# KiCad board default.kicad_pcb (continued)
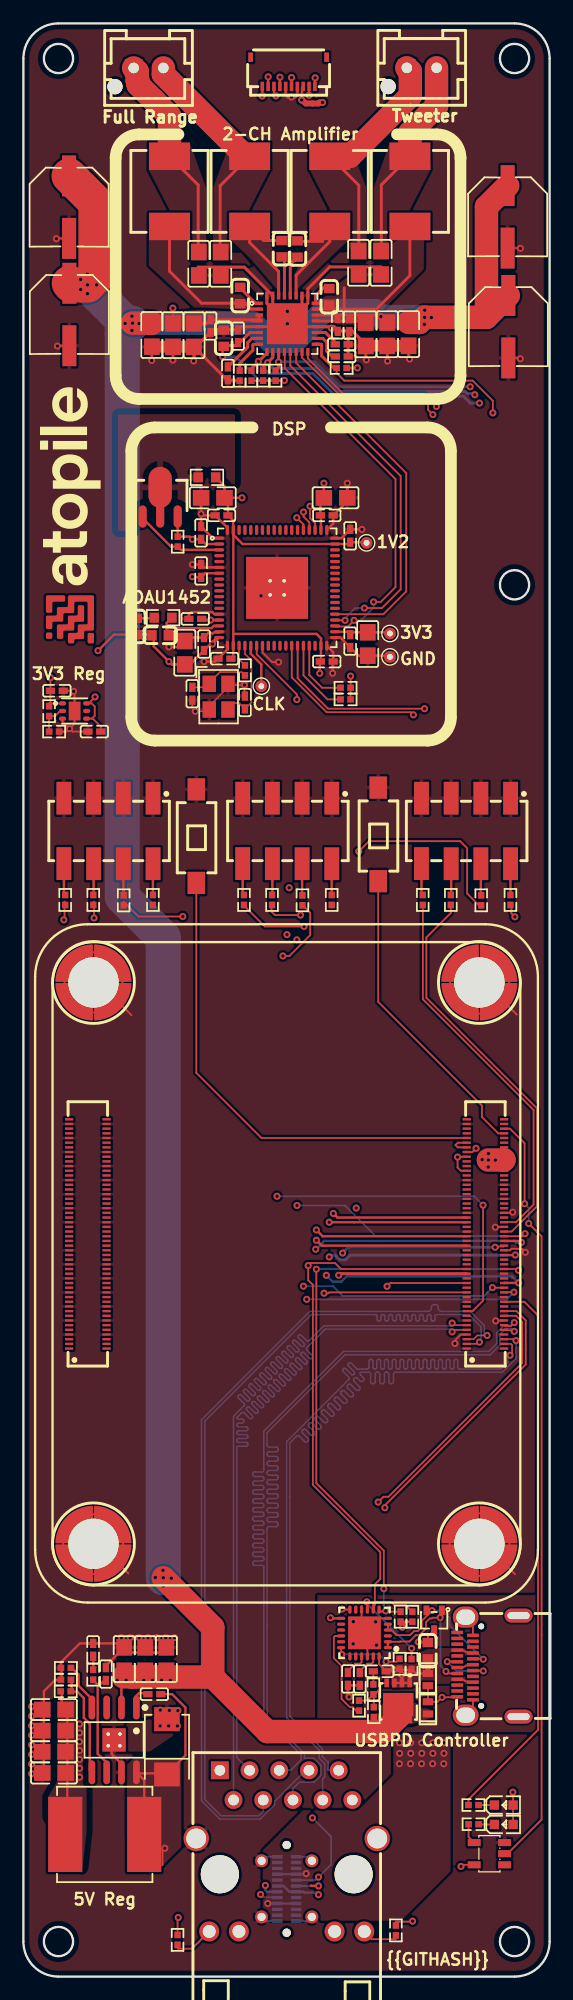
[diagram p0: board, top side]
## Library data of the parts (continued)
R7 = -: Datasheet: https://www.lcsc.com/datasheet/lcsc_datasheet_2206010230_UNI-ROYAL-Uniroyal-Elec-0402WGF2001TCE_C4109.pdf; checksum: 1bbc371acbcf37bf5829a57a7679c5f2fed630b025fcf7ebb7b9b9e8ab555ad5; __atopile_lib_fp_hash__: a3bdefbc-58fc-f1c0-3998-719e5661d0a2; LCSC: C4109; Manufacturer: UNI-ROYAL(Uniroyal Elec); Partnumber: 0402WGF2001TCE; PARAM_max_power: {"type": "Quantity_Set_Discrete", "data": {"intervals": {"type": "Numeric_Interval_Disjoint", "data": {"intervals": [{"type": "Numeric_Interval", "data": {"min": 0.0625, "max": 0.0625}}]}}, "unit": "watt"}}; PARAM_max_voltage: {"type": "Quantity_Set_Discrete", "data": {"intervals": {"type": "Numeric_Interval_Disjoint", "data": {"intervals": [{"type": "Numeric_Interval", "data": {"min": 50.0, "max": 50.0}}]}}, "unit": "volt"}}; PARAM_resistance: {"type": "Quantity_Interval_Disjoint", "data": {"intervals": {"type": "Numeric_Interval_Disjoint", "data": {"intervals": [{"type": "Numeric_Interval", "data": {"min": 1980.0000004470348, "max": 2019.9999995529652}}]}}, "unit": "ohm"}}; atopile_address: cm5.cm5.power_led_resistor; atopile_subaddresses: [.ato/modules/atopile/rpi-cm5/layouts/cm5/cm5.kicad_pcb:cm5.power_led_resistor]
R8 = -: Datasheet: https://www.lcsc.com/datasheet/lcsc_datasheet_2205311900_UNI-ROYAL-Uniroyal-Elec-0402WGF4700TCE_C25117.pdf; checksum: 0adeeb4361bb5276c77add81afc03b1bf42c71cff3cd3696092fca6d86c0a34d; __atopile_lib_fp_hash__: 955288ba-7aa7-22ab-05bd-1d822226e5b2; LCSC: C25117; Manufacturer: UNI-ROYAL(Uniroyal Elec); Partnumber: 0402WGF4700TCE; PARAM_max_power: {"type": "Quantity_Set_Discrete", "data": {"intervals": {"type": "Numeric_Interval_Disjoint", "data": {"intervals": [{"type": "Numeric_Interval", "data": {"min": 0.0625, "max": 0.0625}}]}}, "unit": "watt"}}; PARAM_max_voltage: {"type": "Quantity_Set_Discrete", "data": {"intervals": {"type": "Numeric_Interval_Disjoint", "data": {"intervals": [{"type": "Numeric_Interval", "data": {"min": 50.0, "max": 50.0}}]}}, "unit": "volt"}}; PARAM_resistance: {"type": "Quantity_Interval_Disjoint", "data": {"intervals": {"type": "Numeric_Interval_Disjoint", "data": {"intervals": [{"type": "Numeric_Interval", "data": {"min": 465.3000001050532, "max": 474.6999998949468}}]}}, "unit": "ohm"}}; atopile_address: cm5.rj45.link_led_resistor; atopile_subaddresses: [.ato/modules/atopile/rpi-cm5/layouts/cm5/cm5.kicad_pcb:rj45.link_led_resistor]
R9 = -: Datasheet: https://www.lcsc.com/datasheet/lcsc_datasheet_2205311900_UNI-ROYAL-Uniroyal-Elec-0402WGF4700TCE_C25117.pdf; checksum: 0adeeb4361bb5276c77add81afc03b1bf42c71cff3cd3696092fca6d86c0a34d; __atopile_lib_fp_hash__: 955288ba-7aa7-22ab-05bd-1d822226e5b2; LCSC: C25117; Manufacturer: UNI-ROYAL(Uniroyal Elec); Partnumber: 0402WGF4700TCE; PARAM_max_power: {"type": "Quantity_Set_Discrete", "data": {"intervals": {"type": "Numeric_Interval_Disjoint", "data": {"intervals": [{"type": "Numeric_Interval", "data": {"min": 0.0625, "max": 0.0625}}]}}, "unit": "watt"}}; PARAM_max_voltage: {"type": "Quantity_Set_Discrete", "data": {"intervals": {"type": "Numeric_Interval_Disjoint", "data": {"intervals": [{"type": "Numeric_Interval", "data": {"min": 50.0, "max": 50.0}}]}}, "unit": "volt"}}; PARAM_resistance: {"type": "Quantity_Interval_Disjoint", "data": {"intervals": {"type": "Numeric_Interval_Disjoint", "data": {"intervals": [{"type": "Numeric_Interval", "data": {"min": 465.3000001050532, "max": 474.6999998949468}}]}}, "unit": "ohm"}}; atopile_address: cm5.rj45.speed_led_resistor; atopile_subaddresses: [.ato/modules/atopile/rpi-cm5/layouts/cm5/cm5.kicad_pcb:rj45.speed_led_resistor]
R10 = -: Datasheet: https://www.lcsc.com/datasheet/lcsc_datasheet_2205312316_UNI-ROYAL-Uniroyal-Elec-0402WGF2372TCE_C82134.pdf; checksum: 320347e75e490f7408b10413c5829a680dd6862ac423b220d9186229d273c64f; __atopile_lib_fp_hash__: 0c87d257-996f-a431-78b6-5c02f2ded453; LCSC: C82134; Manufacturer: UNI-ROYAL(Uniroyal Elec); Partnumber: 0402WGF2372TCE; PARAM_max_power: {"type": "Quantity_Set_Discrete", "data": {"intervals": {"type": "Numeric_Interval_Disjoint", "data": {"intervals": [{"type": "Numeric_Interval", "data": {"min": 0.0625, "max": 0.0625}}]}}, "unit": "watt"}}; PARAM_max_voltage: {"type": "Quantity_Set_Discrete", "data": {"intervals": {"type": "Numeric_Interval_Disjoint", "data": {"intervals": [{"type": "Numeric_Interval", "data": {"min": 50.0, "max": 50.0}}]}}, "unit": "volt"}}; PARAM_resistance: {"type": "Quantity_Interval_Disjoint", "data": {"intervals": {"type": "Numeric_Interval_Disjoint", "data": {"intervals": [{"type": "Numeric_Interval", "data": {"min": 23463.000005297363, "max": 23936.999994702637}}]}}, "unit": "ohm"}}; atopile_address: regulator_5v.compensation_resistor; atopile_subaddresses: [.ato/modules/atopile/ti-tps54560x/layouts/default/default.kicad_pcb:compensation_resistor]
R11 = -: Datasheet: https://www.lcsc.com/datasheet/lcsc_datasheet_2206010216_UNI-ROYAL-Uniroyal-Elec-0402WGF1001TCE_C11702.pdf; checksum: eb5d8de69862a74833d082ba482c9c42baa94c5314705812978e3fb5c9b671f4; __atopile_lib_fp_hash__: e4c07550-8ad3-da56-fd91-a119e752eb6e; LCSC: C11702; Manufacturer: UNI-ROYAL(Uniroyal Elec); Partnumber: 0402WGF1001TCE; PARAM_max_power: {"type": "Quantity_Set_Discrete", "data": {"intervals": {"type": "Numeric_Interval_Disjoint", "data": {"intervals": [{"type": "Numeric_Interval", "data": {"min": 0.0625, "max": 0.0625}}]}}, "unit": "watt"}}; PARAM_max_voltage: {"type": "Quantity_Set_Discrete", "data": {"intervals": {"type": "Numeric_Interval_Disjoint", "data": {"intervals": [{"type": "Numeric_Interval", "data": {"min": 50.0, "max": 50.0}}]}}, "unit": "volt"}}; PARAM_resistance: {"type": "Quantity_Interval_Disjoint", "data": {"intervals": {"type": "Numeric_Interval_Disjoint", "data": {"intervals": [{"type": "Numeric_Interval", "data": {"min": 990.0000002235174, "max": 1009.9999997764826}}]}}, "unit": "ohm"}}; atopile_address: debug_headers[0].protection_resistors[0]; atopile_subaddresses: [.ato/modules/atopile/saleae-header/layouts/vertical/vertical.kicad_pcb:protection_resistors[0]]
R12 = -: Datasheet: https://www.lcsc.com/datasheet/lcsc_datasheet_2206010216_UNI-ROYAL-Uniroyal-Elec-0402WGF1001TCE_C11702.pdf; checksum: eb5d8de69862a74833d082ba482c9c42baa94c5314705812978e3fb5c9b671f4; __atopile_lib_fp_hash__: e4c07550-8ad3-da56-fd91-a119e752eb6e; LCSC: C11702; Manufacturer: UNI-ROYAL(Uniroyal Elec); Partnumber: 0402WGF1001TCE; PARAM_max_power: {"type": "Quantity_Set_Discrete", "data": {"intervals": {"type": "Numeric_Interval_Disjoint", "data": {"intervals": [{"type": "Numeric_Interval", "data": {"min": 0.0625, "max": 0.0625}}]}}, "unit": "watt"}}; PARAM_max_voltage: {"type": "Quantity_Set_Discrete", "data": {"intervals": {"type": "Numeric_Interval_Disjoint", "data": {"intervals": [{"type": "Numeric_Interval", "data": {"min": 50.0, "max": 50.0}}]}}, "unit": "volt"}}; PARAM_resistance: {"type": "Quantity_Interval_Disjoint", "data": {"intervals": {"type": "Numeric_Interval_Disjoint", "data": {"intervals": [{"type": "Numeric_Interval", "data": {"min": 990.0000002235174, "max": 1009.9999997764826}}]}}, "unit": "ohm"}}; atopile_address: debug_headers[0].protection_resistors[1]; atopile_subaddresses: [.ato/modules/atopile/saleae-header/layouts/vertical/vertical.kicad_pcb:protection_resistors[1]]
R13 = -: Datasheet: https://www.lcsc.com/datasheet/lcsc_datasheet_2206010000_UNI-ROYAL-Uniroyal-Elec-0402WGF1623TCE_C54068.pdf; checksum: 3883ef59020842bf4da06bac37d80d04135b5e2c914526c4164f41db2fcda234; __atopile_lib_fp_hash__: bf03fcf2-63ab-06e0-486e-519ee4055fcc; LCSC: C54068; Manufacturer: UNI-ROYAL(Uniroyal Elec); Partnumber: 0402WGF1623TCE; PARAM_max_power: {"type": "Quantity_Set_Discrete", "data": {"intervals": {"type": "Numeric_Interval_Disjoint", "data": {"intervals": [{"type": "Numeric_Interval", "data": {"min": 0.0625, "max": 0.0625}}]}}, "unit": "watt"}}; PARAM_max_voltage: {"type": "Quantity_Set_Discrete", "data": {"intervals": {"type": "Numeric_Interval_Disjoint", "data": {"intervals": [{"type": "Numeric_Interval", "data": {"min": 50.0, "max": 50.0}}]}}, "unit": "volt"}}; PARAM_resistance: {"type": "Quantity_Interval_Disjoint", "data": {"intervals": {"type": "Numeric_Interval_Disjoint", "data": {"intervals": [{"type": "Numeric_Interval", "data": {"min": 160380.00003620982, "max": 163619.99996379018}}]}}, "unit": "ohm"}}; atopile_address: regulator_5v.switching_frequency_resistor; atopile_subaddresses: [.ato/modules/atopile/ti-tps54560x/layouts/default/default.kicad_pcb:switching_frequency_resistor]
R14 = -: Datasheet: https://www.lcsc.com/datasheet/lcsc_datasheet_2206010216_UNI-ROYAL-Uniroyal-Elec-0402WGF1001TCE_C11702.pdf; checksum: eb5d8de69862a74833d082ba482c9c42baa94c5314705812978e3fb5c9b671f4; __atopile_lib_fp_hash__: e4c07550-8ad3-da56-fd91-a119e752eb6e; LCSC: C11702; Manufacturer: UNI-ROYAL(Uniroyal Elec); Partnumber: 0402WGF1001TCE; PARAM_max_power: {"type": "Quantity_Set_Discrete", "data": {"intervals": {"type": "Numeric_Interval_Disjoint", "data": {"intervals": [{"type": "Numeric_Interval", "data": {"min": 0.0625, "max": 0.0625}}]}}, "unit": "watt"}}; PARAM_max_voltage: {"type": "Quantity_Set_Discrete", "data": {"intervals": {"type": "Numeric_Interval_Disjoint", "data": {"intervals": [{"type": "Numeric_Interval", "data": {"min": 50.0, "max": 50.0}}]}}, "unit": "volt"}}; PARAM_resistance: {"type": "Quantity_Interval_Disjoint", "data": {"intervals": {"type": "Numeric_Interval_Disjoint", "data": {"intervals": [{"type": "Numeric_Interval", "data": {"min": 990.0000002235174, "max": 1009.9999997764826}}]}}, "unit": "ohm"}}; atopile_address: pd_controller.pd_controller.disch_r; atopile_subaddresses: [.ato/modules/atopile/st-stusb4500/layouts/default/default.kicad_pcb:pd_controller.disch_r]
R15 = -: Datasheet: https://www.lcsc.com/datasheet/lcsc_datasheet_2206010045_UNI-ROYAL-Uniroyal-Elec-0402WGF4701TCE_C25900.pdf; checksum: 48551fcb56012c8f7a833359e4e533bc92cb2ec9a6dd4a362b59792629218ec9; __atopile_lib_fp_hash__: 8c266651-53cc-3296-73ef-255a204bb55e; LCSC: C25900; Manufacturer: UNI-ROYAL(Uniroyal Elec); Partnumber: 0402WGF4701TCE; PARAM_max_power: {"type": "Quantity_Set_Discrete", "data": {"intervals": {"type": "Numeric_Interval_Disjoint", "data": {"intervals": [{"type": "Numeric_Interval", "data": {"min": 0.0625, "max": 0.0625}}]}}, "unit": "watt"}}; PARAM_max_voltage: {"type": "Quantity_Set_Discrete", "data": {"intervals": {"type": "Numeric_Interval_Disjoint", "data": {"intervals": [{"type": "Numeric_Interval", "data": {"min": 50.0, "max": 50.0}}]}}, "unit": "volt"}}; PARAM_resistance: {"type": "Quantity_Interval_Disjoint", "data": {"intervals": {"type": "Numeric_Interval_Disjoint", "data": {"intervals": [{"type": "Numeric_Interval", "data": {"min": 4653.000001050532, "max": 4746.999998949468}}]}}, "unit": "ohm"}}; atopile_address: pd_controller.pd_controller.pull_up_scl; atopile_subaddresses: [.ato/modules/atopile/st-stusb4500/layouts/default/default.kicad_pcb:pd_controller.pull_up_scl]
R16 = -: Datasheet: https://www.lcsc.com/datasheet/lcsc_datasheet_2206010045_UNI-ROYAL-Uniroyal-Elec-0402WGF4701TCE_C25900.pdf; checksum: 48551fcb56012c8f7a833359e4e533bc92cb2ec9a6dd4a362b59792629218ec9; __atopile_lib_fp_hash__: 8c266651-53cc-3296-73ef-255a204bb55e; LCSC: C25900; Manufacturer: UNI-ROYAL(Uniroyal Elec); Partnumber: 0402WGF4701TCE; PARAM_max_power: {"type": "Quantity_Set_Discrete", "data": {"intervals": {"type": "Numeric_Interval_Disjoint", "data": {"intervals": [{"type": "Numeric_Interval", "data": {"min": 0.0625, "max": 0.0625}}]}}, "unit": "watt"}}; PARAM_max_voltage: {"type": "Quantity_Set_Discrete", "data": {"intervals": {"type": "Numeric_Interval_Disjoint", "data": {"intervals": [{"type": "Numeric_Interval", "data": {"min": 50.0, "max": 50.0}}]}}, "unit": "volt"}}; PARAM_resistance: {"type": "Quantity_Interval_Disjoint", "data": {"intervals": {"type": "Numeric_Interval_Disjoint", "data": {"intervals": [{"type": "Numeric_Interval", "data": {"min": 4653.000001050532, "max": 4746.999998949468}}]}}, "unit": "ohm"}}; atopile_address: pd_controller.pd_controller.pull_up_sda; atopile_subaddresses: [.ato/modules/atopile/st-stusb4500/layouts/default/default.kicad_pcb:pd_controller.pull_up_sda]
R17 = -: Datasheet: https://www.lcsc.com/datasheet/lcsc_datasheet_2206010216_UNI-ROYAL-Uniroyal-Elec-0402WGF1001TCE_C11702.pdf; checksum: eb5d8de69862a74833d082ba482c9c42baa94c5314705812978e3fb5c9b671f4; __atopile_lib_fp_hash__: e4c07550-8ad3-da56-fd91-a119e752eb6e; LCSC: C11702; Manufacturer: UNI-ROYAL(Uniroyal Elec); Partnumber: 0402WGF1001TCE; PARAM_max_power: {"type": "Quantity_Set_Discrete", "data": {"intervals": {"type": "Numeric_Interval_Disjoint", "data": {"intervals": [{"type": "Numeric_Interval", "data": {"min": 0.0625, "max": 0.0625}}]}}, "unit": "watt"}}; PARAM_max_voltage: {"type": "Quantity_Set_Discrete", "data": {"intervals": {"type": "Numeric_Interval_Disjoint", "data": {"intervals": [{"type": "Numeric_Interval", "data": {"min": 50.0, "max": 50.0}}]}}, "unit": "volt"}}; PARAM_resistance: {"type": "Quantity_Interval_Disjoint", "data": {"intervals": {"type": "Numeric_Interval_Disjoint", "data": {"intervals": [{"type": "Numeric_Interval", "data": {"min": 990.0000002235174, "max": 1009.9999997764826}}]}}, "unit": "ohm"}}; atopile_address: pd_controller.pd_controller.vbus_vs_disch_r; atopile_subaddresses: [.ato/modules/atopile/st-stusb4500/layouts/default/default.kicad_pcb:pd_controller.vbus_vs_disch_r]
R18 = -: Datasheet: https://www.lcsc.com/datasheet/lcsc_datasheet_2206010100_UNI-ROYAL-Uniroyal-Elec-0402WGF1003TCE_C25741.pdf; checksum: 976c126c29aa8359cbc0106dfc12102e78ecff5586e28009f8e360b922f56b2a; __atopile_lib_fp_hash__: 3c228fe4-f72f-2a3d-2189-dcc375500862; LCSC: C25741; Manufacturer: UNI-ROYAL(Uniroyal Elec); Partnumber: 0402WGF1003TCE; PARAM_max_power: {"type": "Quantity_Set_Discrete", "data": {"intervals": {"type": "Numeric_Interval_Disjoint", "data": {"intervals": [{"type": "Numeric_Interval", "data": {"min": 0.0625, "max": 0.0625}}]}}, "unit": "watt"}}; PARAM_max_voltage: {"type": "Quantity_Set_Discrete", "data": {"intervals": {"type": "Numeric_Interval_Disjoint", "data": {"intervals": [{"type": "Numeric_Interval", "data": {"min": 50.0, "max": 50.0}}]}}, "unit": "volt"}}; PARAM_resistance: {"type": "Quantity_Interval_Disjoint", "data": {"intervals": {"type": "Numeric_Interval_Disjoint", "data": {"intervals": [{"type": "Numeric_Interval", "data": {"min": 99000.00002235174, "max": 100999.99997764826}}]}}, "unit": "ohm"}}; atopile_address: pd_controller.pd_controller.vsink_gate_pullup; atopile_subaddresses: [.ato/modules/atopile/st-stusb4500/layouts/default/default.kicad_pcb:pd_controller.vsink_gate_pullup]
R19 = -: Datasheet: https://www.lcsc.com/datasheet/lcsc_datasheet_2206010100_UNI-ROYAL-Uniroyal-Elec-0402WGF2202TCE_C25768.pdf; checksum: 6ca61028222e50780dfe56c888708e8a3eebb2f33fb1e29b11403dec26613235; __atopile_lib_fp_hash__: 9eff1719-f2eb-ef0c-e0bd-2d94a9eca247; LCSC: C25768; Manufacturer: UNI-ROYAL(Uniroyal Elec); Partnumber: 0402WGF2202TCE; PARAM_max_power: {"type": "Quantity_Set_Discrete", "data": {"intervals": {"type": "Numeric_Interval_Disjoint", "data": {"intervals": [{"type": "Numeric_Interval", "data": {"min": 0.0625, "max": 0.0625}}]}}, "unit": "watt"}}; PARAM_max_voltage: {"type": "Quantity_Set_Discrete", "data": {"intervals": {"type": "Numeric_Interval_Disjoint", "data": {"intervals": [{"type": "Numeric_Interval", "data": {"min": 50.0, "max": 50.0}}]}}, "unit": "volt"}}; PARAM_resistance: {"type": "Quantity_Interval_Disjoint", "data": {"intervals": {"type": "Numeric_Interval_Disjoint", "data": {"intervals": [{"type": "Numeric_Interval", "data": {"min": 21780.000004917383, "max": 22219.999995082617}}]}}, "unit": "ohm"}}; atopile_address: pd_controller.pd_controller.vsink_gate_r; atopile_subaddresses: [.ato/modules/atopile/st-stusb4500/layouts/default/default.kicad_pcb:pd_controller.vsink_gate_r]
R20 = -: Datasheet: https://www.lcsc.com/datasheet/lcsc_datasheet_2205311900_UNI-ROYAL-Uniroyal-Elec-0402WGF1000TCE_C25076.pdf; checksum: 4aabc24ab03a220ec92f7b8897d2294636c565117f12396931694880bb9c48fa; __atopile_lib_fp_hash__: 8b6fcf66-ce81-fd43-df3a-2cb0856d4c0b; LCSC: C25076; Manufacturer: UNI-ROYAL(Uniroyal Elec); Partnumber: 0402WGF1000TCE; PARAM_max_power: {"type": "Quantity_Set_Discrete", "data": {"intervals": {"type": "Numeric_Interval_Disjoint", "data": {"intervals": [{"type": "Numeric_Interval", "data": {"min": 0.0625, "max": 0.0625}}]}}, "unit": "watt"}}; PARAM_max_voltage: {"type": "Quantity_Set_Discrete", "data": {"intervals": {"type": "Numeric_Interval_Disjoint", "data": {"intervals": [{"type": "Numeric_Interval", "data": {"min": 50.0, "max": 50.0}}]}}, "unit": "volt"}}; PARAM_resistance: {"type": "Quantity_Interval_Disjoint", "data": {"intervals": {"type": "Numeric_Interval_Disjoint", "data": {"intervals": [{"type": "Numeric_Interval", "data": {"min": 99.00000002235174, "max": 100.99999997764826}}]}}, "unit": "ohm"}}; atopile_address: pd_controller.pd_controller.vsink_gate_snub_r; atopile_subaddresses: [.ato/modules/atopile/st-stusb4500/layouts/default/default.kicad_pcb:pd_controller.vsink_gate_snub_r]
R21 = -: Datasheet: https://www.lcsc.com/datasheet/lcsc_datasheet_2205311900_UNI-ROYAL-Uniroyal-Elec-0402WGF1000TCE_C25076.pdf; checksum: 4aabc24ab03a220ec92f7b8897d2294636c565117f12396931694880bb9c48fa; __atopile_lib_fp_hash__: 8b6fcf66-ce81-fd43-df3a-2cb0856d4c0b; LCSC: C25076; Manufacturer: UNI-ROYAL(Uniroyal Elec); Partnumber: 0402WGF1000TCE; PARAM_max_power: {"type": "Quantity_Set_Discrete", "data": {"intervals": {"type": "Numeric_Interval_Disjoint", "data": {"intervals": [{"type": "Numeric_Interval", "data": {"min": 0.0625, "max": 0.0625}}]}}, "unit": "watt"}}; PARAM_max_voltage: {"type": "Quantity_Set_Discrete", "data": {"intervals": {"type": "Numeric_Interval_Disjoint", "data": {"intervals": [{"type": "Numeric_Interval", "data": {"min": 50.0, "max": 50.0}}]}}, "unit": "volt"}}; PARAM_resistance: {"type": "Quantity_Interval_Disjoint", "data": {"intervals": {"type": "Numeric_Interval_Disjoint", "data": {"intervals": [{"type": "Numeric_Interval", "data": {"min": 99.00000002235174, "max": 100.99999997764826}}]}}, "unit": "ohm"}}; atopile_address: dsp.oscillator_driver.r_damp; atopile_subaddresses: [.ato/modules/atopile/adi-adau145x/layouts/default/default.kicad_pcb:oscillator_driver.r_damp]
R22 = -: Datasheet: https://www.lcsc.com/datasheet/lcsc_datasheet_2411221126_UNI-ROYAL-Uniroyal-Elec-0603WAF0000T5E_C21189.pdf; checksum: 6a4bd31e77476e3f8994c6ba1ac7df5da1e37606fc1c9914c95bee65c4c50581; __atopile_lib_fp_hash__: 85f19549-2e9d-668e-54ac-8ea117bdcd16; LCSC: C21189; Manufacturer: UNI-ROYAL(Uniroyal Elec); Partnumber: 0603WAF0000T5E; PARAM_max_power: {"type": "Quantity_Set_Discrete", "data": {"intervals": {"type": "Numeric_Interval_Disjoint", "data": {"intervals": [{"type": "Numeric_Interval", "data": {"min": 0.1, "max": 0.1}}]}}, "unit": "watt"}}; PARAM_max_voltage: {"type": "Quantity_Set_Discrete", "data": {"intervals": {"type": "Numeric_Interval_Disjoint", "data": {"intervals": [{"type": "Numeric_Interval", "data": {"min": 75.0, "max": 75.0}}]}}, "unit": "volt"}}; PARAM_resistance: {"type": "Quantity_Interval_Disjoint", "data": {"intervals": {"type": "Numeric_Interval_Disjoint", "data": {"intervals": [{"type": "Numeric_Interval", "data": {"min": 0.0, "max": 0.0}}]}}, "unit": "ohm"}}; atopile_address: dsp.output_debug_resistor; atopile_subaddresses: [.ato/modules/atopile/adi-adau145x/layouts/default/default.kicad_pcb:output_debug_resistor]
R23 = -: Datasheet: https://www.lcsc.com/datasheet/lcsc_datasheet_2206010116_UNI-ROYAL-Uniroyal-Elec-0603WAF4301T5E_C23159.pdf; checksum: 264c0bed53d0a49b2e6fc928d8e63a342a8e7618240724b332b3b5f9636cc7f6; __atopile_lib_fp_hash__: 00154e6e-ca1b-944d-c693-d3926ce1ee4b; LCSC: C23159; Manufacturer: UNI-ROYAL(Uniroyal Elec); Partnumber: 0603WAF4301T5E; PARAM_max_power: {"type": "Quantity_Set_Discrete", "data": {"intervals": {"type": "Numeric_Interval_Disjoint", "data": {"intervals": [{"type": "Numeric_Interval", "data": {"min": 0.1, "max": 0.1}}]}}, "unit": "watt"}}; PARAM_max_voltage: {"type": "Quantity_Set_Discrete", "data": {"intervals": {"type": "Numeric_Interval_Disjoint", "data": {"intervals": [{"type": "Numeric_Interval", "data": {"min": 75.0, "max": 75.0}}]}}, "unit": "volt"}}; PARAM_resistance: {"type": "Quantity_Interval_Disjoint", "data": {"intervals": {"type": "Numeric_Interval_Disjoint", "data": {"intervals": [{"type": "Numeric_Interval", "data": {"min": 4257.000000961125, "max": 4342.999999038875}}]}}, "unit": "ohm"}}; atopile_address: dsp.pll_filter.r; atopile_subaddresses: [.ato/modules/atopile/adi-adau145x/layouts/default/default.kicad_pcb:pll_filter.r]
R24 = -: Datasheet: https://www.lcsc.com/datasheet/lcsc_datasheet_2206010216_UNI-ROYAL-Uniroyal-Elec-0402WGF1001TCE_C11702.pdf; checksum: eb5d8de69862a74833d082ba482c9c42baa94c5314705812978e3fb5c9b671f4; __atopile_lib_fp_hash__: e4c07550-8ad3-da56-fd91-a119e752eb6e; LCSC: C11702; Manufacturer: UNI-ROYAL(Uniroyal Elec); Partnumber: 0402WGF1001TCE; PARAM_max_power: {"type": "Quantity_Set_Discrete", "data": {"intervals": {"type": "Numeric_Interval_Disjoint", "data": {"intervals": [{"type": "Numeric_Interval", "data": {"min": 0.0625, "max": 0.0625}}]}}, "unit": "watt"}}; PARAM_max_voltage: {"type": "Quantity_Set_Discrete", "data": {"intervals": {"type": "Numeric_Interval_Disjoint", "data": {"intervals": [{"type": "Numeric_Interval", "data": {"min": 50.0, "max": 50.0}}]}}, "unit": "volt"}}; PARAM_resistance: {"type": "Quantity_Interval_Disjoint", "data": {"intervals": {"type": "Numeric_Interval_Disjoint", "data": {"intervals": [{"type": "Numeric_Interval", "data": {"min": 990.0000002235174, "max": 1009.9999997764826}}]}}, "unit": "ohm"}}; atopile_address: dsp.vdrive_min_load_res; atopile_subaddresses: [.ato/modules/atopile/adi-adau145x/layouts/default/default.kicad_pcb:vdrive_min_load_res]
R25 = -: Datasheet: https://www.lcsc.com/datasheet/lcsc_datasheet_2206010216_UNI-ROYAL-Uniroyal-Elec-0402WGF1001TCE_C11702.pdf; checksum: eb5d8de69862a74833d082ba482c9c42baa94c5314705812978e3fb5c9b671f4; __atopile_lib_fp_hash__: e4c07550-8ad3-da56-fd91-a119e752eb6e; LCSC: C11702; Manufacturer: UNI-ROYAL(Uniroyal Elec); Partnumber: 0402WGF1001TCE; PARAM_max_power: {"type": "Quantity_Set_Discrete", "data": {"intervals": {"type": "Numeric_Interval_Disjoint", "data": {"intervals": [{"type": "Numeric_Interval", "data": {"min": 0.0625, "max": 0.0625}}]}}, "unit": "watt"}}; PARAM_max_voltage: {"type": "Quantity_Set_Discrete", "data": {"intervals": {"type": "Numeric_Interval_Disjoint", "data": {"intervals": [{"type": "Numeric_Interval", "data": {"min": 50.0, "max": 50.0}}]}}, "unit": "volt"}}; PARAM_resistance: {"type": "Quantity_Interval_Disjoint", "data": {"intervals": {"type": "Numeric_Interval_Disjoint", "data": {"intervals": [{"type": "Numeric_Interval", "data": {"min": 990.0000002235174, "max": 1009.9999997764826}}]}}, "unit": "ohm"}}; atopile_address: debug_headers[0].protection_resistors[2]; atopile_subaddresses: [.ato/modules/atopile/saleae-header/layouts/vertical/vertical.kicad_pcb:protection_resistors[2]]
R26 = -: Datasheet: https://www.lcsc.com/datasheet/lcsc_datasheet_2206010216_UNI-ROYAL-Uniroyal-Elec-0402WGF1001TCE_C11702.pdf; checksum: eb5d8de69862a74833d082ba482c9c42baa94c5314705812978e3fb5c9b671f4; __atopile_lib_fp_hash__: e4c07550-8ad3-da56-fd91-a119e752eb6e; LCSC: C11702; Manufacturer: UNI-ROYAL(Uniroyal Elec); Partnumber: 0402WGF1001TCE; PARAM_max_power: {"type": "Quantity_Set_Discrete", "data": {"intervals": {"type": "Numeric_Interval_Disjoint", "data": {"intervals": [{"type": "Numeric_Interval", "data": {"min": 0.0625, "max": 0.0625}}]}}, "unit": "watt"}}; PARAM_max_voltage: {"type": "Quantity_Set_Discrete", "data": {"intervals": {"type": "Numeric_Interval_Disjoint", "data": {"intervals": [{"type": "Numeric_Interval", "data": {"min": 50.0, "max": 50.0}}]}}, "unit": "volt"}}; PARAM_resistance: {"type": "Quantity_Interval_Disjoint", "data": {"intervals": {"type": "Numeric_Interval_Disjoint", "data": {"intervals": [{"type": "Numeric_Interval", "data": {"min": 990.0000002235174, "max": 1009.9999997764826}}]}}, "unit": "ohm"}}; atopile_address: debug_headers[0].protection_resistors[3]; atopile_subaddresses: [.ato/modules/atopile/saleae-header/layouts/vertical/vertical.kicad_pcb:protection_resistors[3]]
R27 = -: Datasheet: https://www.lcsc.com/datasheet/lcsc_datasheet_2206010216_UNI-ROYAL-Uniroyal-Elec-0402WGF1001TCE_C11702.pdf; checksum: eb5d8de69862a74833d082ba482c9c42baa94c5314705812978e3fb5c9b671f4; __atopile_lib_fp_hash__: e4c07550-8ad3-da56-fd91-a119e752eb6e; LCSC: C11702; Manufacturer: UNI-ROYAL(Uniroyal Elec); Partnumber: 0402WGF1001TCE; PARAM_max_power: {"type": "Quantity_Set_Discrete", "data": {"intervals": {"type": "Numeric_Interval_Disjoint", "data": {"intervals": [{"type": "Numeric_Interval", "data": {"min": 0.0625, "max": 0.0625}}]}}, "unit": "watt"}}; PARAM_max_voltage: {"type": "Quantity_Set_Discrete", "data": {"intervals": {"type": "Numeric_Interval_Disjoint", "data": {"intervals": [{"type": "Numeric_Interval", "data": {"min": 50.0, "max": 50.0}}]}}, "unit": "volt"}}; PARAM_resistance: {"type": "Quantity_Interval_Disjoint", "data": {"intervals": {"type": "Numeric_Interval_Disjoint", "data": {"intervals": [{"type": "Numeric_Interval", "data": {"min": 990.0000002235174, "max": 1009.9999997764826}}]}}, "unit": "ohm"}}; atopile_address: debug_headers[1].protection_resistors[0]; atopile_subaddresses: [.ato/modules/atopile/saleae-header/layouts/vertical/vertical.kicad_pcb:protection_resistors[0]]